# Altium PCB FPGA_Module.PcbDoc (part 2 of 5) (continued)
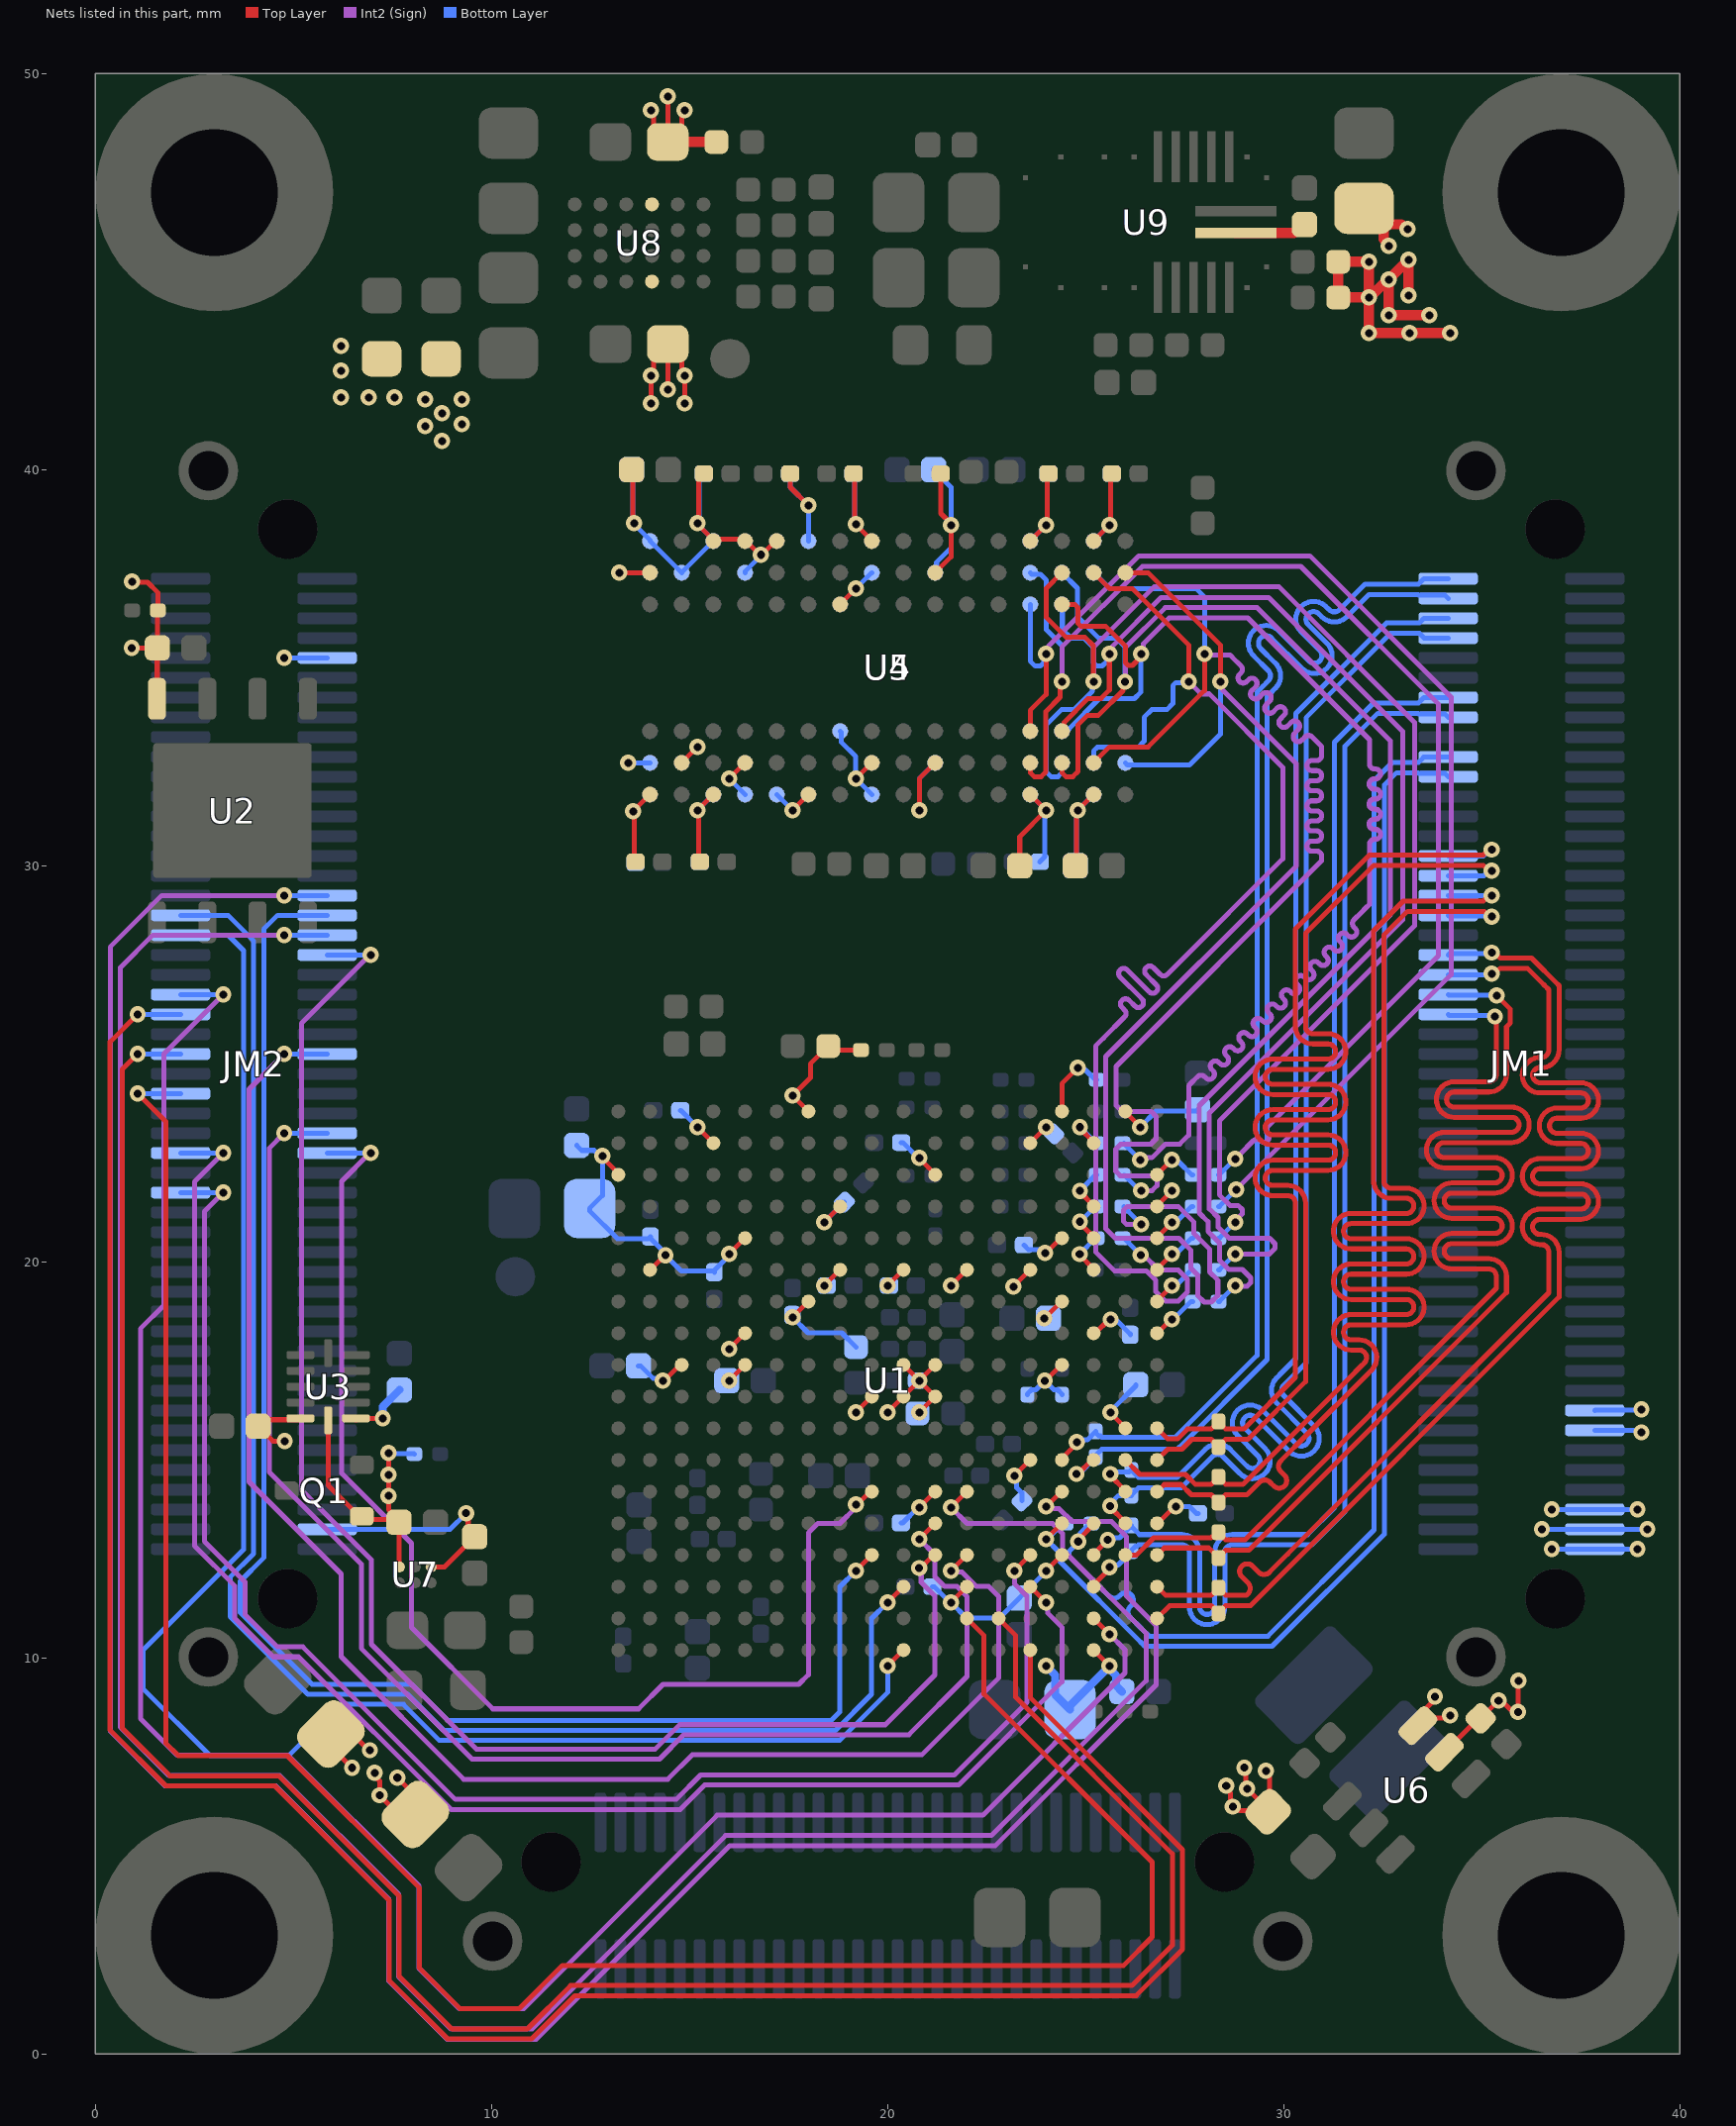
[diagram p6: the nets of this part, all layers, seen from the top]
## Nets (pads, with @x,y where several pads share a name; then routed paths per layer and width w, separated by ;. In a path a pad name is that pad's centre, name@x,y a point inside that pad or via, vN(x,y) a via of type N, cw(c..) or ccw(c..) an arc to the next point about the centre after c; other vN are vias at no path point) (continued)
  Bottom Layer w0.127: JM1.62@34.15,27.75 34.179,27.779 35.221,27.779 v1(35.25,27.808)
D1B_P: JM1.60 R8.2 U1.V3 | length 33
  Top Layer w0.127: U1.V3@26.8,11.8 27.021,11.579 27.275,11.579 28.166,11.579 R8.2@28.35,11.763 ; R8.2@28.35,11.775 R8.2@28.35,11.763 ; v1(35.25,27.275) 35.326,27.275 35.464,27.413 36.148,27.413 36.573,26.988 36.693,26.868 36.693,26.797 ; 36.693,26.796 36.693,25.351 cw(c36.502,25.351) 36.502,25.161 36.472,25.161 ccw(c36.472,24.713) 36.024,24.713 ccw(c36.472,24.713) 36.472,24.265 37.498,24.265 cw(c37.498,24.075) 37.689,24.075 cw(c37.498,24.075) 37.498,23.884 36.898,23.884 ccw(c36.898,23.437) 36.451,23.437 ccw(c36.898,23.437) 36.898,22.989 37.498,22.989 cw(c37.498,22.798) 37.689,22.798 cw(c37.498,22.798) 37.498,22.608 36.472,22.608 ccw(c36.472,22.16) 36.024,22.16 ccw(c36.472,22.16) 36.472,21.713 37.498,21.713 cw(c37.498,21.522) 37.689,21.522 cw(c37.498,21.522) 37.498,21.332 36.472,21.332 ccw(c36.472,20.884) 36.024,20.884 ccw(c36.472,20.884) 36.472,20.436 36.502,20.436 cw(c36.502,20.246) 36.693,20.246 36.693,20.053 36.693,19.218 30.1,12.625 29.637,12.162 cw(c29.503,12.297) 29.368,12.162 29.211,12.32 ccw(c29.076,12.185) 28.941,12.32 ccw(c29.076,12.185) 28.941,12.05 29.099,11.893 cw(c28.964,11.758) 29.099,11.624 29.054,11.579 28.534,11.579 R8.2@28.35,11.763
  Bottom Layer w0.127: JM1.60@34.15,27.25 35.225,27.25 v1(35.25,27.275)
D2A_N: JM1.68 R1.2 U1.U7 | length 33.2
  Top Layer w0.127: U1.U7@26,15 26.365,14.635 27.515,14.635 27.771,14.379 28.166,14.379 R1.2@28.35,14.563 ; R1.2@28.35,14.575 R1.2@28.35,14.563 ; 32.035,17.448 31.942,17.356 ccw(c32.033,17.265) 31.941,17.355 31.659,17.073 28.965,14.379 28.534,14.379 R1.2@28.35,14.563 ; 32.035,17.449 ccw(c31.901,17.584) 31.901,17.774 31.699,17.774 cw(c31.699,18.222) 31.699,18.67 33.093,18.67 ccw(c33.093,18.86) 33.093,19.051 31.699,19.051 cw(c31.699,19.498) 31.699,19.946 33.093,19.946 ccw(c33.093,20.137) 33.093,20.327 31.699,20.327 cw(c31.699,20.775) 31.699,21.223 33.093,21.223 ccw(c33.093,21.413) 33.093,21.604 32.715,21.604 cw(c32.715,22.051) 32.268,22.051 32.268,23.03 32.268,23.275 32.268,28.357 33.018,29.107 35.036,29.107 35.179,29.25 v1(35.25,29.25)
  Bottom Layer w0.127: JM1.68@34.15,29.25 v1(35.25,29.25)
D2A_P: JM1.66 R1.1 U1.V6 | length 33.1
  Top Layer w0.127: U1.V6@26.843,14.243 U1.V6@26.8,14.2 26.809,14.2 26.986,14.377 27.409,14.377 27.665,14.121 28.166,14.121 R1.1@28.35,13.937 ; R1.1@28.35,13.925 R1.1@28.35,13.937 ; R1.1@28.379,13.908 R1.1@28.35,13.937 ; v1(35.25,28.717) 35.195,28.717 35.062,28.85 33.125,28.85 32.525,28.25 32.525,23.275 32.525,23.03 32.525,22.051 ccw(c32.715,22.051) 32.715,21.861 33.093,21.861 cw(c33.093,21.413) 33.093,20.965 31.699,20.965 ccw(c31.699,20.775) 31.699,20.584 33.093,20.584 cw(c33.093,20.137) 33.093,19.689 31.699,19.689 ccw(c31.699,19.498) 31.699,19.308 33.093,19.308 cw(c33.093,18.86) 33.093,18.413 31.699,18.413 ccw(c31.699,18.222) 31.699,18.032 31.901,18.032 cw(c31.901,17.584) 32.217,17.267 32.124,17.174 cw(c32.033,17.265) 32.123,17.173 32.023,17.073 30.594,15.644 29.925,14.975 ccw(c30.059,14.84) 29.925,14.705 30.019,14.611 cw(c29.884,14.476) 30.019,14.342 cw(c29.884,14.476) 29.749,14.342 29.655,14.436 ccw(c29.52,14.301) 29.386,14.436 29.071,14.121 28.534,14.121 R1.1@28.35,13.937
  Bottom Layer w0.127: JM1.66@34.15,28.75 34.167,28.733 35.233,28.733 v1(35.25,28.717)
D2B_N: JM1.72 R5.2 U1.V8 | length 33
  Top Layer w0.127: U1.V8@26.8,15.8 27.071,15.529 27.321,15.529 27.571,15.779 28.166,15.779 R5.2@28.35,15.963 ; R5.2@28.35,15.975 R5.2@28.35,15.963 ; v1(35.25,30.408) 35.174,30.408 35.036,30.27 32.164,30.27 30.293,28.399 30.293,26.141 30.293,25.949 ccw(c30.74,25.949) 30.74,25.501 31.118,25.501 cw(c31.118,25.311) 31.309,25.311 cw(c31.118,25.311) 31.118,25.12 29.724,25.12 ccw(c29.724,24.673) 29.277,24.673 ccw(c29.724,24.673) 29.724,24.225 31.118,24.225 cw(c31.118,24.034) 31.309,24.034 cw(c31.118,24.034) 31.118,23.844 29.724,23.844 ccw(c29.724,23.396) 29.277,23.396 ccw(c29.724,23.396) 29.724,22.948 31.118,22.948 cw(c31.118,22.758) 31.309,22.758 cw(c31.118,22.758) 31.118,22.567 29.724,22.567 ccw(c29.724,22.12) 29.277,22.12 ccw(c29.724,22.12) 29.724,21.672 30.102,21.672 cw(c30.102,21.482) 30.293,21.482 30.293,20.15 30.293,17.082 28.99,15.779 28.534,15.779 R5.2@28.35,15.963
  Bottom Layer w0.127: JM1.72@34.15,30.25 35.047,30.25 35.205,30.408 v1(35.25,30.408)
D2B_P: JM1.70 R5.1 U1.V7 | length 32.9
  Top Layer w0.127: U1.V7@26.8,15 27.071,15.271 27.428,15.271 27.678,15.521 28.166,15.521 R5.1@28.35,15.337 ; R5.1@28.35,15.325 R5.1@28.35,15.337 ; v1(35.25,29.875) 35.174,29.875 35.036,30.013 32.27,30.013 30.55,28.293 30.55,26.141 30.55,25.949 ccw(c30.74,25.949) 30.74,25.759 31.118,25.759 cw(c31.118,25.311) 31.566,25.311 cw(c31.118,25.311) 31.118,24.863 29.724,24.863 ccw(c29.724,24.673) 29.534,24.673 ccw(c29.724,24.673) 29.724,24.482 31.118,24.482 cw(c31.118,24.034) 31.566,24.034 cw(c31.118,24.034) 31.118,23.587 29.724,23.587 ccw(c29.724,23.396) 29.534,23.396 ccw(c29.724,23.396) 29.724,23.206 31.118,23.206 cw(c31.118,22.758) 31.566,22.758 cw(c31.118,22.758) 31.118,22.31 29.724,22.31 ccw(c29.724,22.12) 29.534,22.12 ccw(c29.724,22.12) 29.724,21.929 30.102,21.929 cw(c30.102,21.482) 30.55,21.482 30.55,20.15 30.55,16.975 29.096,15.521 28.534,15.521 R5.1@28.35,15.337
  Bottom Layer w0.127: JM1.70@34.15,29.75 35.049,29.75 35.174,29.875 v1(35.25,29.875)
D3A_N: JM1.82 R3.1 U1.T5 | length 32.9
  Top Layer w0.127: v1@24.811,12.947 24.811,12.979 25.2,13.368 U1.T5@25.2,13.4
  Bottom Layer w0.127: R3.1@25.125,13.4 25.113,13.4 24.865,13.152 24.865,13 24.811,12.947 24.811,12.92 24.574,12.682 24.574,12.577 25.15,12 25.195,11.955 25.585,11.566 ccw(c25.719,11.701) 25.854,11.566 25.88,11.592 cw(c26.014,11.457) 26.149,11.592 cw(c26.014,11.457) 26.149,11.322 26.124,11.297 ccw(c26.258,11.162) 26.124,11.027 26.393,10.758 26.438,10.713 26.58,10.57 26.601,10.55 29.6,10.55 32.282,13.232 32.282,32.146 32.743,32.607 33.401,32.607 33.536,32.742 JM1.82@34.142,32.742
  other v1: 24.81,12.938
D3A_P: JM1.80 R3.2 U1.R5 | length 32.9
  Top Layer w0.127: v1(24,13) U1.R5@24.4,13.4
  Bottom Layer w0.127: R3.2@24.475,13.4 24.437,13.4 24.037,13 v1(24,13) 24.316,12.684 24.316,12.471 26.398,10.388 26.494,10.293 29.707,10.293 32.539,13.126 32.539,32.039 32.85,32.35 33.389,32.35 33.41,32.329 34.071,32.329 JM1.80@34.15,32.25
D3B_N: JM1.88 R7.2 U1.T4 | length 32.9
  Top Layer w0.127: U1.T4@25.2,12.6 25.2,12.621 v1(25.557,12.979)
  Bottom Layer w0.127: v1(25.557,12.979) 25.611,13.032 25.857,13.032 R7.2@26.125,13.3 ; R7.2@26.15,13.35 26.15,13.325 26.36,13.115 26.575,13.115 27.427,13.115 cw(c27.427,12.668) 27.874,12.668 27.874,11.29 ccw(c28.065,11.29) 28.065,11.1 ccw(c28.065,11.29) 28.255,11.29 28.255,12.668 cw(c28.703,12.668) 28.703,13.115 28.895,13.115 30.601,13.115 31.282,13.796 31.282,33.121 32.268,34.107 33.401,34.107 33.544,34.25 JM1.88@34.15,34.25
D3B_P: JM1.86 R7.1 U1.T3 | length 33
  Top Layer w0.127: U1.T3@25.2,11.8 25.2,11.846 25.6,12.246 v1(25.6,12.291)
  Bottom Layer w0.127: v1(25.6,12.291) 25.653,12.345 25.82,12.345 26.15,12.675 R7.1@26.15,12.712 ; R7.1@26.15,12.7 R7.1@26.15,12.712 ; JM1.86@34.15,33.75 34.071,33.829 33.41,33.829 33.389,33.85 32.375,33.85 31.539,33.014 31.539,13.689 30.708,12.858 28.895,12.858 28.703,12.858 ccw(c28.703,12.668) 28.513,12.668 28.513,11.29 cw(c28.065,11.29) 28.065,10.843 cw(c28.065,11.29) 27.617,11.29 27.617,12.668 ccw(c27.427,12.668) 27.427,12.858 26.575,12.858 26.336,12.858 26.3,12.822 26.26,12.822 R7.1@26.15,12.712
D4A_N: JM1.96 R4.2 U1.U6 | length 32.8
  Top Layer w0.127: v1@25.619,14.638 25.619,14.609 26,14.228 U1.U6@26,14.2
  Bottom Layer w0.127: v1@25.619,14.638 25.672,14.691 26.091,14.691 R4.2@26.15,14.75 26.15,14.738 26.334,14.554 27.304,14.554 27.504,14.754 27.639,14.889 cw(c27.731,14.799) 27.64,14.89 28.016,15.266 cw(c28.333,14.95) 28.607,15.304 28.612,15.304 28.649,15.267 cw(c28.333,14.95) 28.65,15.266 29.075,14.841 ccw(c29.21,14.975) 29.344,14.84 ; 29.344,15.111 28.835,15.62 cw(c29.151,15.937) 28.834,16.254 cw(c29.151,15.937) 29.468,16.253 30.313,15.408 ccw(c30.448,15.542) 30.583,15.407 ; 29.345,14.841 ccw(c29.21,14.975) 29.345,15.11 ; 29.821,17.071 ccw(c30.138,16.755) 29.822,16.438 ; 29.822,16.438 30.582,15.678 ; 29.822,17.072 29.957,17.207 30.305,17.555 30.305,33.844 32.59,36.129 33.422,36.129 33.544,36.25 JM1.96@34.15,36.25 ; 30.583,15.408 ccw(c30.448,15.542) 30.583,15.677
  other v1: 25.62,14.648
D4A_P: JM1.94 R4.1 U1.U5 | length 32.9
  Top Layer w0.127: v1(25.619,13.836) 25.619,13.809 26,13.428 U1.U5@26,13.4
  Bottom Layer w0.127: v1(25.619,13.836) 25.619,13.894 25.825,14.1 R4.1@26.15,14.1 ; R4.1@26.169,14.131 26.334,14.296 27.41,14.296 27.686,14.572 ; 27.686,14.572 27.821,14.707 ccw(c27.731,14.799) 27.822,14.708 28.198,15.084 ; 28.198,15.084 cw(c28.333,14.95) 28.469,15.084 28.893,14.659 ccw(c29.21,14.975) 29.527,14.659 ccw(c29.21,14.975) 29.526,15.292 29.017,15.802 cw(c29.151,15.937) 29.016,16.071 ; 29.017,16.072 cw(c29.151,15.937) 29.286,16.072 ; 29.287,16.071 30.131,15.226 ccw(c30.448,15.542) 30.765,15.226 ccw(c30.448,15.542) 30.764,15.859 30.004,16.62 cw(c30.138,16.755) 30.004,16.89 30.139,17.026 30.562,17.448 30.562,33.737 32.696,35.871 33.422,35.871 33.544,35.75 JM1.94@34.15,35.75
D4B_N: JM1.100 R2.2 U1.R7 | length 32.8
  Top Layer w0.127: U1.R7@24.4,15 24.4,15.037 24.775,15.413 v1(24.775,15.45)
  Bottom Layer w0.127: v1(24.775,15.45) 24.829,15.503 25.04,15.503 25.25,15.713 R2.2@25.25,15.725 ; R2.2@25.237,15.7 25.335,15.603 25.382,15.603 25.411,15.575 27.261,15.575 29.325,17.639 29.325,25.55 29.325,33.466 29.325,34.382 29.471,34.528 ; 29.237,35.302 29.606,34.934 ; 29.237,35.302 cw(c29.553,35.62) 29.236,35.936 cw(c29.553,35.62) 29.827,35.974 29.832,35.974 29.869,35.937 cw(c29.553,35.62) 29.87,35.936 30.638,35.168 ccw(c30.772,35.303) 30.906,35.168 ; 29.471,34.528 29.606,34.663 ; 29.606,34.934 cw(c29.472,34.798) 29.606,34.663 ; 30.907,35.169 ccw(c30.772,35.303) 30.906,35.439 30.435,35.91 cw(c30.752,36.226) 30.435,36.543 cw(c30.752,36.226) 31.069,36.542 31.142,36.469 ccw(c31.277,36.603) 31.412,36.469 32.051,37.107 32.146,37.107 32.343,37.107 33.401,37.107 33.544,37.25 JM1.100@34.15,37.25
D4B_P: JM1.98 R2.1 U1.T7 | length 32.9
  Top Layer w0.127: v1(24.764,14.644) 24.804,14.644 25.16,15 U1.T7@25.2,15
  Bottom Layer w0.127: v1(24.764,14.644) 24.831,14.644 R2.1@25.25,15.063 ; R2.1@25.25,15.05 25.25,15.112 25.409,15.271 27.31,15.271 27.356,15.317 27.367,15.317 29.582,17.532 29.582,25.55 29.582,33.466 29.582,34.275 29.653,34.346 29.788,34.481 ccw(c29.472,34.798) 29.826,35.072 29.826,35.077 29.79,35.114 ccw(c29.472,34.798) 29.788,35.115 29.418,35.486 cw(c29.553,35.62) 29.418,35.754 ; 29.419,35.755 cw(c29.553,35.62) 29.689,35.754 ; 29.689,35.753 30.455,34.988 ; 30.455,34.987 ccw(c30.772,35.303) 31.089,34.987 ccw(c30.772,35.303) 31.126,35.577 31.126,35.582 30.618,36.091 cw(c30.752,36.226) 30.617,36.361 ; 30.617,36.361 cw(c30.752,36.226) 30.886,36.361 ; 30.887,36.36 30.96,36.287 ccw(c31.277,36.603) 31.595,36.287 32.157,36.85 32.6,36.85 33.389,36.85 33.41,36.829 34.071,36.829 JM1.98@34.15,36.75
DC_CPL_1: JM2.42 U1.P3 | length 40.4
  Top Layer w0.127: U1.P3@23.638,11.762 v1(24,11.4)
  Int2 (Sign) w0.127: v1(3.23,22.75) 2.5,22.02 2.5,12.975 2.5,12.836 3.521,11.815 3.521,10.995 4.49,10.026 5.132,10.026 8.983,6.175 14.766,6.175 15.382,6.791 21.79,6.791 24.4,9.401 24.4,10.775 24.039,11.136 24.039,11.361 v1(24,11.4)
  Bottom Layer w0.127: JM2.42@2.15,22.75 v1(3.23,22.75)
DC_CPL_2: JM2.52 U1.N2 | length 60
  Top Layer w0.127: v1(1.07,25.25) 0.676,24.856 0.676,8.233 1.885,7.024 4.632,7.024 7.667,3.99 7.667,1.967 9,0.634 10.903,0.634 11.997,1.729 26.17,1.729 27.187,2.747 27.187,5.053 23.235,9.006 23.235,10.565 U1.N2@22.8,11
  Bottom Layer w0.127: v1(1.07,25.25) JM2.52@2.15,25.25
DC_CPL_3: JM2.58 U1.T2 | length 54.5
  Top Layer w0.127: U1.T2@25.238,10.962 v1(25.6,10.6)
  Int2 (Sign) w0.127: v1(3.23,26.75) 1.729,25.249 1.729,18.904 1.137,18.312 1.137,8.472 2.068,7.542 4.868,7.542 8.167,4.243 8.167,2.168 9.193,1.142 10.81,1.142 15.697,6.029 22.404,6.029 25.994,9.619 25.994,10.206 v1(25.6,10.6)
  Bottom Layer w0.127: JM2.58@2.15,26.75 v1(3.23,26.75)
DC_CPL_4: JM2.66 U1.K3 | length 40.2
  Top Layer w0.127: v1(20,11.4) U1.K3@20.362,11.762
  Bottom Layer w0.127: JM2.66@2.15,28.75 3.35,28.75 3.996,28.104 3.996,12.633 3.4,12.037 3.4,11.046 5.363,9.083 7.879,9.083 8.791,8.171 18.684,8.171 19.594,9.081 19.594,10.994 v1(20,11.4)
DDR3_A0: R38.1 U1.V14 | length 1.2
  Top Layer w0.127: U1.V14@26.8,20.6 26.8,20.613 27.175,20.988 v1(27.175,21)
  Bottom Layer w0.127: v1(27.175,21) 27.228,21.053 27.328,21.053 27.675,21.4 R38.1@27.7,21.4
DDR3_A0_T: R38.2 U4.N3 U5.N3 | length 32.3
  Top Layer w0.127: U4.N3@23.6,33.4 23.6,33.925 24,34.325 v1(24,35.35)
  Int2 (Sign) w0.127: v1(24,35.35) 24.053,35.403 24.053,35.538 26.341,37.825 30.658,37.825 34.225,34.258 34.225,27.25 v1(28.8,21.825)
  Bottom Layer w0.127: U5.N3@23.6,36.6 23.6,35.167 23.725,35.042 23.856,35.042 23.947,35.132 23.947,35.287 v1@24.005,35.345 ; R38.2@28.35,21.4 28.375,21.4 v1(28.8,21.825)
DDR3_A1: R23.1 U1.T17 | length 1.1
  Top Layer w0.127: v1(24.856,23.4) 24.856,23.372 25.187,23.041 U1.T17@25.187,23
  Bottom Layer w0.127: v1(24.856,23.4) 24.856,23.397 25.253,23 R23.1@25.275,23
DDR3_A1_T: R23.2 U4.P7 U5.P7 | length 33.6
  Top Layer w0.127: U4.P7@24.4,36.6 24.723,36.6 24.8,36.523 24.8,36.124 24.874,36.05 25.5,36.05 26,35.55 26,35.13 26.074,35.056 26.182,35.056 26.4,35.274 v1(26.4,35.35)
  Int2 (Sign) w0.127: v1(26.375,22.575) 26.428,22.628 26.672,22.628 27.018,22.975 27.375,22.975 27.6,23.2 27.6,24.45 27.645,24.495 27.824,24.675 cw(c27.914,24.585) 28.004,24.675 28.033,24.646 ccw(c28.122,24.736) 28.212,24.646 ccw(c28.122,24.736) 28.212,24.826 28.184,24.854 cw(c28.273,24.944) 28.184,25.034 cw(c28.273,24.944) 28.363,25.034 28.392,25.005 ccw(c28.482,25.095) 28.571,25.005 ccw(c28.482,25.095) 28.571,25.185 28.543,25.213 cw(c28.633,25.303) 28.543,25.393 cw(c28.633,25.303) 28.722,25.393 28.751,25.364 ccw(c28.841,25.454) 28.931,25.364 ccw(c28.841,25.454) 28.931,25.544 28.902,25.573 cw(c28.992,25.662) 28.902,25.752 cw(c28.992,25.662) 29.082,25.752 29.11,25.724 ccw(c29.2,25.813) 29.29,25.724 ccw(c29.2,25.813) 29.29,25.903 29.261,25.932 cw(c29.351,26.022) 29.261,26.111 cw(c29.351,26.022) 29.441,26.111 29.469,26.083 ccw(c29.559,26.173) 29.649,26.083 ccw(c29.559,26.173) 29.649,26.262 29.62,26.291 cw(c29.71,26.381) 29.62,26.471 cw(c29.71,26.381) 29.8,26.471 29.829,26.442 ccw(c29.919,26.532) 30.008,26.442 ccw(c29.919,26.532) 30.008,26.622 29.98,26.65 cw(c30.07,26.74) 29.98,26.83 cw(c30.07,26.74) 30.159,26.83 30.188,26.801 ccw(c30.278,26.891) 30.368,26.801 ccw(c30.278,26.891) 30.368,26.981 30.339,27.009 cw(c30.429,27.099) 30.339,27.189 cw(c30.429,27.099) 30.519,27.189 30.547,27.16 ccw(c30.637,27.25) 30.727,27.16 ccw(c30.637,27.25) 30.727,27.34 30.698,27.369 cw(c30.788,27.458) 30.698,27.548 cw(c30.788,27.458) 30.878,27.548 30.906,27.52 ccw(c30.996,27.609) 31.086,27.52 ccw(c30.996,27.609) 31.086,27.699 31.057,27.728 cw(c31.147,27.818) 31.057,27.907 cw(c31.147,27.818) 31.237,27.907 31.266,27.879 ccw(c31.355,27.969) 31.445,27.879 ccw(c31.355,27.969) 31.445,28.058 31.417,28.087 cw(c31.506,28.177) 31.417,28.267 cw(c31.506,28.177) 31.596,28.267 31.625,28.238 ccw(c31.715,28.328) 31.804,28.238 ccw(c31.715,28.328) 31.804,28.418 31.77,28.452 cw(c31.86,28.542) 31.77,28.632 31.966,28.828 32.069,28.931 32.164,29.026 32.164,30.056 32.164,30.54 cw(c32.291,30.54) 32.291,30.667 32.314,30.667 ccw(c32.314,30.794) 32.314,30.921 32.28,30.921 cw(c32.28,31.048) 32.28,31.175 32.314,31.175 ccw(c32.314,31.302) 32.314,31.429 32.28,31.429 cw(c32.28,31.556) 32.28,31.683 32.314,31.683 ccw(c32.314,31.81) 32.314,31.937 32.281,31.937 cw(c32.281,32.064) 32.281,32.191 32.314,32.191 ccw(c32.314,32.318) 32.314,32.445 32.291,32.445 cw(c32.291,32.572) 32.164,32.572 32.164,32.635 32.164,33.186 29.091,36.259 27.11,36.259 26.453,35.603 26.453,35.403 v1(26.4,35.35)
  Bottom Layer w0.127: U5.P7@24.4,33.4 24.452,33.452 24.576,33.452 25.343,34.22 26.228,34.22 26.387,34.379 26.387,35.337 v1(26.4,35.35) ; R23.2@25.963,23 25.963,22.987 v1(26.375,22.575)
DDR3_A2: R39.1 U1.V12 | length 1.2
  Top Layer w0.127: U1.V12@26.8,19 26.8,19.013 27.175,19.388 v1(27.175,19.4)
  Bottom Layer w0.127: v1(27.175,19.4) 27.228,19.453 27.328,19.453 27.675,19.8 R39.1@27.7,19.8
DDR3_A2_T: R39.2 U4.P3 U5.P3 | length 32.8
  Top Layer w0.127: U4.P3@24.4,33.4 24.452,33.452 24.452,33.616 25.062,34.225 25.385,34.225 25.597,34.437 v1@25.597,35.347
  Int2 (Sign) w0.127: v1(25.6,35.35) 25.65,35.4 25.65,35.517 26.907,36.775 29.619,36.775 33.003,33.391 33.003,28.639 28.122,23.758 28.122,21.338 28.342,21.119 28.342,20.877 28.618,20.6 29.642,20.6 29.782,20.46 29.782,20.341 29.641,20.2 v1(28.775,20.2)
  Bottom Layer w0.127: U5.P3@24.4,36.6 24.41,36.59 24.41,35.965 24.632,35.744 24.963,35.744 25.194,35.513 25.194,35.118 25.268,35.044 25.419,35.044 25.547,35.171 25.547,35.297 v1(25.6,35.35) ; R39.2@28.35,19.8 28.375,19.8 v1(28.775,20.2)
DDR3_A3: R40.1 U1.V16 | length 1.2
  Top Layer w0.127: U1.V16@26.8,22.2 v1(27.175,22.575)
  Bottom Layer w0.127: v1(27.175,22.575) 27.228,22.522 27.353,22.522 27.675,22.2 R40.1@27.7,22.2
DDR3_A3_T: R40.2 U4.N2 U5.N2 | length 33.6
  Top Layer w0.127: U4.N2@23.6,32.6 23.6,32.35 23.7,32.25 23.875,32.25 23.991,32.365 23.991,33.891 24.356,34.256 24.356,34.606 v1(24.4,34.65)
  Int2 (Sign) w0.127: v1(24.4,34.65) 24.4,35.525 26.433,37.558 30.43,37.558 33.91,34.078 33.91,27.735 29.635,23.46 29.59,23.415 ccw(c29.68,23.326) 29.59,23.236 cw(c29.501,23.146) 29.59,23.056 cw(c29.501,23.146) 29.411,23.056 ccw(c29.321,22.966) 29.231,23.056 28.892,22.717 v1(28.775,22.6)
  Bottom Layer w0.127: U5.N2@23.6,37.4 23.639,37.361 23.859,37.361 24.01,37.21 24.01,35.956 24.406,35.56 24.406,34.656 v1(24.4,34.65) ; R40.2@28.35,22.2 28.375,22.2 v1(28.775,22.6)
DDR3_A4: R42.1 U1.V13 | length 1.2
  Top Layer w0.127: U1.V13@26.8,19.8 26.8,19.813 27.175,20.188 v1(27.175,20.2)
  Bottom Layer w0.127: v1(27.175,20.2) 27.228,20.253 27.328,20.253 27.675,20.6 R42.1@27.7,20.6
DDR3_A4_T: R42.2 U4.P8 U5.P8 | length 34.1
  Top Layer w0.127: U4.P8@24.4,37.4 24.01,37.009 24.01,36.265 24.5,35.775 24.975,35.775 25.194,35.556 25.194,34.656 v1(25.2,34.65)
  Int2 (Sign) w0.127: v1(25.2,34.65) 25.2,35.516 26.734,37.05 29.873,37.05 33.3,33.623 33.3,28.482 28.376,23.558 28.376,21.692 28.643,21.425 28.846,21.425 28.952,21.319 28.952,21.214 28.775,21.037 v1(28.775,21)
  Bottom Layer w0.127: U5.P8@24.4,32.6 24.4,32.35 24.3,32.25 24.125,32.25 24.01,32.365 24.01,33.562 24.398,33.95 24.714,33.95 25.168,34.404 25.168,34.618 v1(25.2,34.65) ; R42.2@28.35,20.6 28.375,20.6 v1(28.775,21)
DDR3_A5: R30.1 U1.V11 | length 1.2
  Top Layer w0.127: U1.V11@26.8,18.2 26.813,18.2 27.162,18.55 v1(27.175,18.55)
  Bottom Layer w0.127: v1(27.175,18.55) 27.212,18.55 27.662,19 R30.1@27.7,19
DDR3_A5_T: R30.2 U4.P2 U5.P2 | length 34.1
  Top Layer w0.127: U4.P2@24.4,32.6 24.4,32.35 24.5,32.25 24.675,32.25 24.81,32.384 24.81,33.562 25.038,33.791 25.31,33.791 25.94,34.421 25.94,34.622 v1@25.994,34.675
  Int2 (Sign) w0.127: v1@25.994,34.675 26.006,34.688 26.006,35.515 27.009,36.517 29.331,36.517 32.695,33.153 32.695,28.769 27.868,23.943 27.868,21.233 28.088,21.014 28.088,20.772 28.379,20.48 28.379,20.046 28.381,20.044 28.381,20.037 28.612,19.806 28.954,19.806 29.165,19.595 29.165,19.474 29.076,19.384 v1@28.791,19.384 ; v1(28.775,19.4) v1@28.791,19.384 ; v1@28.8,19.375 v1@28.791,19.384
  Bottom Layer w0.127: U5.P2@24.4,37.4 24.791,37.01 24.791,36.284 25.325,35.75 25.341,35.75 25.345,35.746 25.779,35.746 25.994,35.531 v1@25.994,34.675 ; R30.2@28.35,19 28.375,19 v1(28.775,19.4)
  other v1: 25.993,34.648
DDR3_A6: R20.1 U1.T13 | length 1.1
  Top Layer w0.127: v1(24.85,20.197) 24.85,20.174 25.2,19.823 U1.T13@25.2,19.8
  Bottom Layer w0.127: v1(24.85,20.197) v1(24.85,20.197) 25.251,20.6 R20.1@25.275,20.6
DDR3_A6_T: R20.2 U4.R8 U5.R8 | length 34.4
  Top Layer w0.127: U4.R8@25.2,37.4 25.6,37 26.175,37 27.6,35.575 v1(27.6,34.65)
  Int2 (Sign) w0.127: v1(26.388,20.175) 26.464,20.175 26.845,19.794 27.338,19.794 27.569,19.563 27.569,19.237 27.338,19.006 27.012,19.006 26.772,19.246 26.772,19.535 26.532,19.775 25.725,19.775 25.25,20.25 25.25,25.45 25.451,25.651 25.981,26.181 ccw(c25.891,26.271) 25.981,26.36 25.917,26.424 cw(c26.007,26.514) 25.917,26.603 cw(c26.007,26.514) 26.097,26.603 26.242,26.458 ccw(c26.332,26.548) 26.422,26.458 ccw(c26.332,26.548) 26.422,26.638 25.868,27.192 cw(c25.958,27.282) 25.868,27.371 cw(c25.958,27.282) 26.047,27.371 26.602,26.817 ccw(c26.691,26.907) 26.781,26.817 ccw(c26.691,26.907) 26.781,26.997 26.527,27.252 cw(c26.616,27.341) 26.527,27.431 cw(c26.616,27.341) 26.706,27.431 26.879,27.258 ccw(c26.969,27.348) 27.058,27.258 27.283,27.483 29.975,30.175 29.975,32.485 28.121,34.339 27.911,34.339 v1(27.6,34.65)
  Bottom Layer w0.127: U5.R8@25.2,32.6 25.2,32.9 25.291,32.991 26.323,32.991 26.475,33.143 26.475,33.749 26.668,33.942 27.047,33.942 27.2,34.094 27.2,34.55 27.274,34.624 27.574,34.624 v1(27.6,34.65) ; R20.2@25.963,20.6 v1(26.388,20.175)
DDR3_A7: R21.1 U1.T15 | length 1.1
  Top Layer w0.127: v1(24.855,21.791) 24.855,21.768 25.187,21.436 U1.T15@25.187,21.4
  Bottom Layer w0.127: v1(24.855,21.791) 24.855,21.798 25.257,22.2 R21.1@25.275,22.2
DDR3_A7_T: R21.2 U4.R2 U5.R2 | length 35
  Top Layer w0.127: U4.R2@25.2,32.6 25.6,33 26.575,33 28,34.425 v1(28,35.35)
  Int2 (Sign) w0.127: v1(26.4,21.8) 26.675,21.8 26.8,21.925 26.8,22.05 26.675,22.175 25.874,22.175 25.761,22.289 25.761,22.844 25.886,22.969 26.64,22.969 26.781,23.11 26.781,23.672 26.653,23.8 25.916,23.8 25.767,23.95 25.767,24.935 30.956,30.125 30.956,30.18 30.956,30.243 ccw(c30.829,30.243) 30.829,30.37 30.713,30.37 cw(c30.713,30.497) 30.713,30.624 30.829,30.624 ccw(c30.829,30.751) 30.829,30.878 30.713,30.878 cw(c30.713,31.005) 30.713,31.132 30.829,31.132 ccw(c30.829,31.259) 30.829,31.386 30.713,31.386 cw(c30.713,31.513) 30.713,31.64 30.829,31.64 ccw(c30.829,31.767) 30.829,31.894 30.713,31.894 cw(c30.713,32.021) 30.713,32.148 30.829,32.148 ccw(c30.829,32.275) 30.829,32.402 30.713,32.402 cw(c30.713,32.529) 30.713,32.656 30.829,32.656 ccw(c30.829,32.783) 30.956,32.783 30.956,33.012 30.761,33.207 30.716,33.252 ccw(c30.627,33.162) 30.537,33.252 30.455,33.17 cw(c30.365,33.26) 30.275,33.17 cw(c30.365,33.26) 30.275,33.349 30.365,33.44 ccw(c30.275,33.529) 30.365,33.619 ccw(c30.275,33.529) 30.186,33.619 30.095,33.529 cw(c30.006,33.619) 29.916,33.529 cw(c30.006,33.619) 29.916,33.709 30.006,33.799 ccw(c29.916,33.889) 30.006,33.978 ccw(c29.916,33.889) 29.826,33.978 29.736,33.888 cw(c29.646,33.978) 29.557,33.888 cw(c29.646,33.978) 29.557,34.068 29.647,34.158 ccw(c29.557,34.248) 29.647,34.338 ccw(c29.557,34.248) 29.467,34.338 29.377,34.247 cw(c29.287,34.337) 29.197,34.247 cw(c29.287,34.337) 29.197,34.427 29.288,34.517 ccw(c29.198,34.607) 29.288,34.697 ccw(c29.198,34.607) 29.108,34.697 29.063,34.652 cw(c28.973,34.742) 28.884,34.652 cw(c28.973,34.742) 28.884,34.831 28.92,34.868 ccw(c28.83,34.958) 28.92,35.048 28.689,35.28 28.644,35.325 28.025,35.325 v1(28,35.35)
  Bottom Layer w0.127: U5.R2@25.208,37.4 25.618,36.991 27.795,36.991 28,36.786 v1@28,35.358 ; R21.2@25.963,22.187 25.976,22.187 26.363,21.8 v1(26.4,21.8)
DDR3_A8: R24.1 U1.T14 | length 1.1
  Top Layer w0.127: v1(24.856,21.016) 24.856,20.98 25.187,20.648 U1.T14@25.187,20.6
  Bottom Layer w0.127: v1(24.856,21.016) 24.861,21.016 25.245,21.4 R24.1@25.275,21.4
DDR3_A8_T: R24.2 U4.T8 U5.T8 | length 34.5
  Top Layer w0.127: U4.T8@26,37.4 26.575,37.4 28.4,35.575 v1(28.4,34.65)
  Int2 (Sign) w0.127: v1(26.4,20.95) 26.025,20.95 25.95,21.025 25.95,21.3 26.05,21.4 27.336,21.4 27.725,21.011 27.725,20.725 28.125,20.325 28.125,19.747 28.335,19.538 28.335,19.151 28.167,18.983 27.992,18.983 27.825,19.15 27.825,19.669 27.65,19.844 27.65,20.3 27.354,20.596 25.751,20.596 25.507,20.84 25.507,25.184 30.315,29.992 30.315,32.579 28.453,34.44 28.453,34.597 v1(28.4,34.65)
  Bottom Layer w0.127: R24.2@25.963,21.4 25.963,21.387 v1(26.4,20.95) ; U5.T8@26,32.6 26.052,32.548 26.204,32.548 26.211,32.541 27.62,32.541 28.4,33.321 v1(28.4,34.65)
DDR3_A9: R22.1 U1.R18 | length 1.9
  Top Layer w0.127: U1.R18@24.4,23.8 24.4,24.5 v1(24.8,24.9)
  Bottom Layer w0.127: v1(24.8,24.9) 24.853,24.847 24.99,24.847 25.237,24.6 R22.1@25.275,24.6